# KiCad board protoboard-6x4-breakout.kicad_pcb (continued)
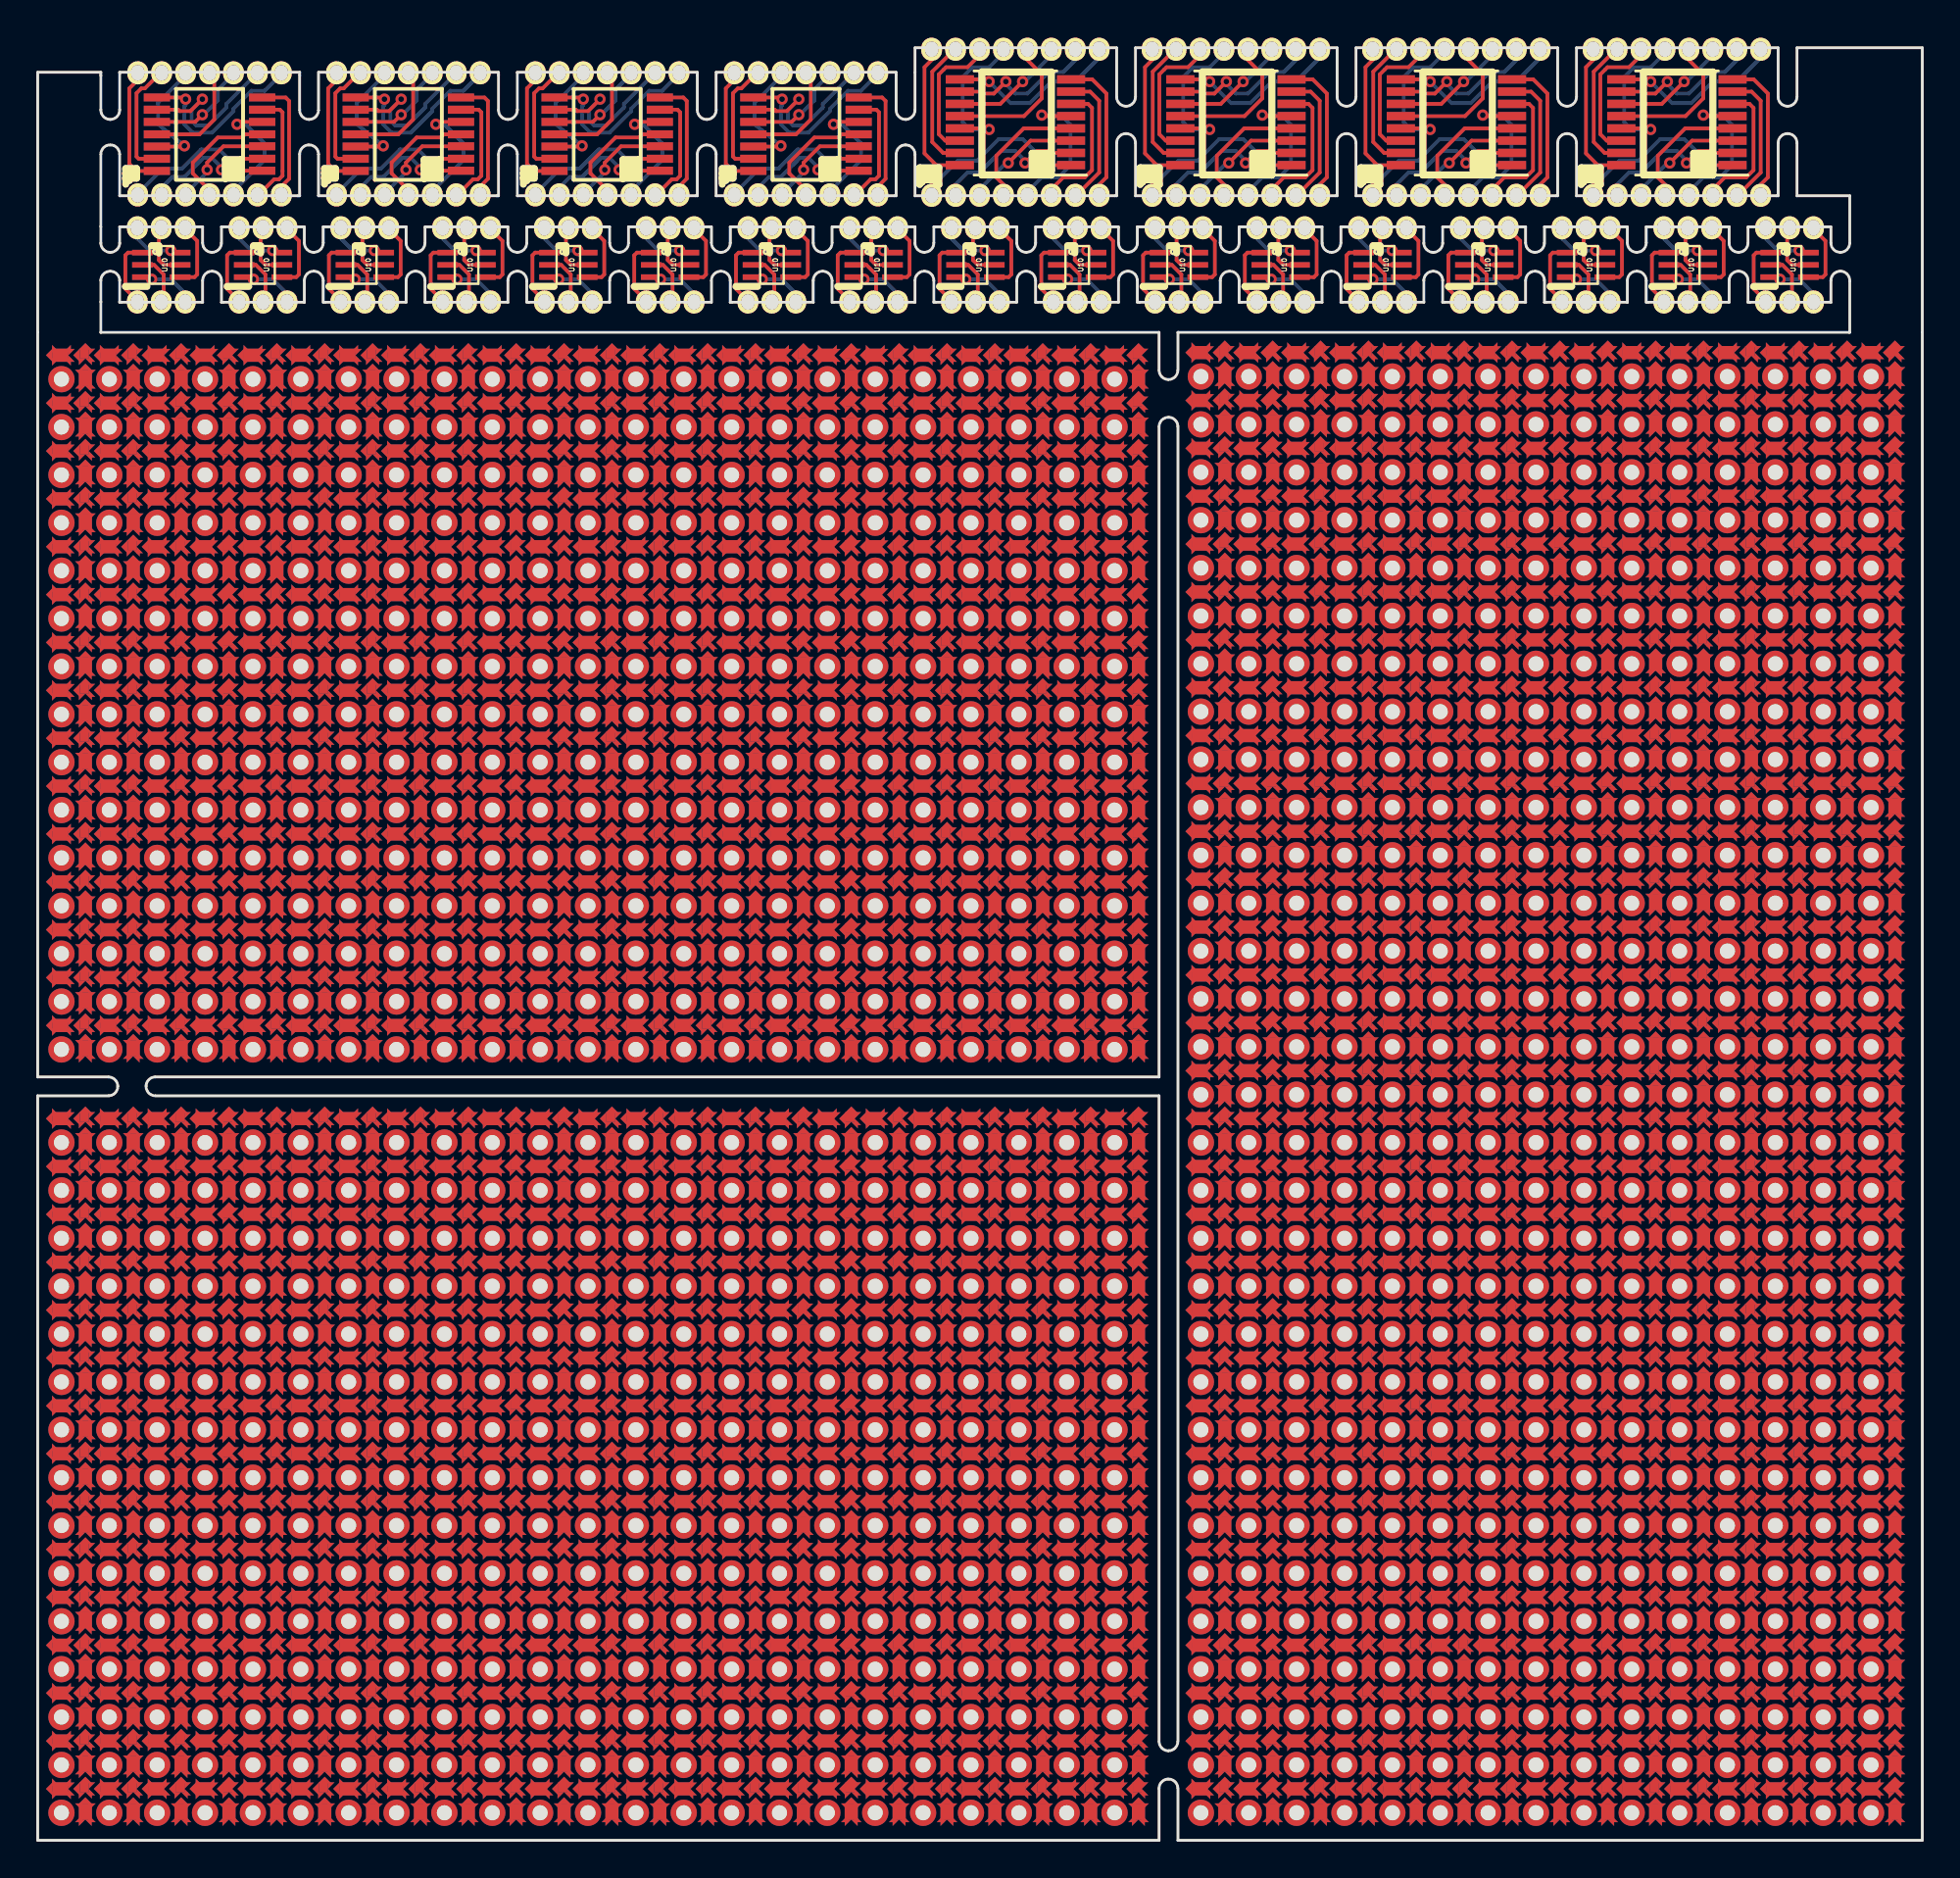
[diagram p0: board, top side]
## Placement (name value [footprint] x y rotation side) (continued)
REF**#209  pad-between  [pad-between-spiked]  39.36 10.35 90 top
REF**#210  pad-between  [pad-between-spiked]  41.9 10.35 90 top
REF**#211  center-pad  [center-pad-spikes]  40.63 10.35 0 top
REF**#212  center-pad  [center-pad-spikes]  43.17 10.35 0 top
REF**#213  pad-between  [pad-between-spiked]  44.44 10.35 90 top
REF**#214  center-pad  [center-pad-spikes]  45.71 10.35 0 top
REF**#215  center-pad  [center-pad-spikes]  45.71 7.81 0 top
REF**#216  pad-between  [pad-between-spiked]  45.71 6.54 0 top
REF**#217  pad-between  [pad-between-spiked]  45.71 9.08 0 top
REF**#218  pad-between  [pad-between-spiked]  44.44 7.81 90 top
REF**#219  pad-between  [pad-between-spiked]  43.17 9.08 0 top
REF**#220  pad-between  [pad-between-spiked]  43.17 6.54 0 top
REF**#221  center-pad  [center-pad-spikes]  43.17 7.81 0 top
REF**#222  center-pad  [center-pad-spikes]  40.63 7.81 0 top
REF**#223  pad-between  [pad-between-spiked]  40.63 6.54 0 top
REF**#224  pad-between  [pad-between-spiked]  40.63 9.08 0 top
REF**#225  pad-between  [pad-between-spiked]  41.9 7.81 90 top
REF**#226  pad-between  [pad-between-spiked]  39.36 7.81 90 top
REF**#227  -  [tht-0.8]  44.44 9.08 0 top
REF**#228  -  [tht-0.8]  41.9 9.08 0 top
REF**#229  -  [tht-0.8]  39.36 9.08 0 top
REF**#230  -  [tht-0.8]  39.36 6.54 0 top
REF**#231  -  [tht-0.8]  41.9 6.54 0 top
REF**#232  -  [tht-0.8]  44.44 6.54 0 top
REF**#233  -  [tht-0.8]  57.14 6.54 0 top
REF**#234  -  [tht-0.8]  54.6 6.54 0 top
REF**#235  -  [tht-0.8]  54.6 9.08 0 top
REF**#236  -  [tht-0.8]  57.14 9.08 0 top
REF**#237  pad-between  [pad-between-spiked]  54.6 7.81 90 top
REF**#238  pad-between  [pad-between-spiked]  57.14 7.81 90 top
REF**#239  pad-between  [pad-between-spiked]  55.87 9.08 0 top
REF**#240  pad-between  [pad-between-spiked]  55.87 6.54 0 top
REF**#241  center-pad  [center-pad-spikes]  55.87 7.81 0 top
REF**#242  center-pad  [center-pad-spikes]  58.41 7.81 0 top
REF**#243  pad-between  [pad-between-spiked]  58.41 6.54 0 top
REF**#244  pad-between  [pad-between-spiked]  58.41 9.08 0 top
REF**#245  center-pad  [center-pad-spikes]  58.41 10.35 0 top
REF**#246  center-pad  [center-pad-spikes]  55.87 10.35 0 top
REF**#247  pad-between  [pad-between-spiked]  57.14 10.35 90 top
REF**#248  pad-between  [pad-between-spiked]  54.6 10.35 90 top
REF**#249  pad-between  [pad-between-spiked]  46.98 10.35 90 top
REF**#250  pad-between  [pad-between-spiked]  49.52 10.35 90 top
REF**#251  center-pad  [center-pad-spikes]  48.25 10.35 0 top
REF**#252  center-pad  [center-pad-spikes]  50.79 10.35 0 top
REF**#253  pad-between  [pad-between-spiked]  52.06 10.35 90 top
REF**#254  center-pad  [center-pad-spikes]  53.33 10.35 0 top
REF**#255  center-pad  [center-pad-spikes]  53.33 7.81 0 top
REF**#256  pad-between  [pad-between-spiked]  53.33 6.54 0 top
REF**#257  pad-between  [pad-between-spiked]  53.33 9.08 0 top
REF**#258  pad-between  [pad-between-spiked]  52.06 7.81 90 top
REF**#259  pad-between  [pad-between-spiked]  50.79 9.08 0 top
REF**#260  pad-between  [pad-between-spiked]  50.79 6.54 0 top
REF**#261  center-pad  [center-pad-spikes]  50.79 7.81 0 top
REF**#262  center-pad  [center-pad-spikes]  48.25 7.81 0 top
REF**#263  pad-between  [pad-between-spiked]  48.25 6.54 0 top
REF**#264  pad-between  [pad-between-spiked]  48.25 9.08 0 top
REF**#265  pad-between  [pad-between-spiked]  49.52 7.81 90 top
REF**#266  pad-between  [pad-between-spiked]  46.98 7.81 90 top
REF**#267  -  [tht-0.8]  52.06 9.08 0 top
REF**#268  -  [tht-0.8]  49.52 9.08 0 top
REF**#269  -  [tht-0.8]  46.98 9.08 0 top
REF**#270  -  [tht-0.8]  46.98 6.54 0 top
REF**#271  -  [tht-0.8]  49.52 6.54 0 top
REF**#272  -  [tht-0.8]  52.06 6.54 0 top
REF**#273  -  [tht-0.8]  21.58 6.54 0 top
REF**#274  -  [tht-0.8]  19.04 6.54 0 top
REF**#275  -  [tht-0.8]  16.5 6.54 0 top
REF**#276  -  [tht-0.8]  16.5 9.08 0 top
REF**#277  -  [tht-0.8]  19.04 9.08 0 top
REF**#278  -  [tht-0.8]  21.58 9.08 0 top
REF**#279  pad-between  [pad-between-spiked]  16.5 7.81 90 top
REF**#280  pad-between  [pad-between-spiked]  19.04 7.81 90 top
REF**#281  pad-between  [pad-between-spiked]  17.77 9.08 0 top
REF**#282  pad-between  [pad-between-spiked]  17.77 6.54 0 top
REF**#283  center-pad  [center-pad-spikes]  17.77 7.81 0 top
REF**#284  center-pad  [center-pad-spikes]  20.31 7.81 0 top
REF**#285  pad-between  [pad-between-spiked]  20.31 6.54 0 top
REF**#286  pad-between  [pad-between-spiked]  20.31 9.08 0 top
REF**#287  pad-between  [pad-between-spiked]  21.58 7.81 90 top
REF**#288  pad-between  [pad-between-spiked]  22.85 9.08 0 top
REF**#289  pad-between  [pad-between-spiked]  22.85 6.54 0 top
REF**#290  center-pad  [center-pad-spikes]  22.85 7.81 0 top
REF**#291  center-pad  [center-pad-spikes]  22.85 10.35 0 top
REF**#292  pad-between  [pad-between-spiked]  21.58 10.35 90 top
REF**#293  center-pad  [center-pad-spikes]  20.31 10.35 0 top
REF**#294  center-pad  [center-pad-spikes]  17.77 10.35 0 top
REF**#295  pad-between  [pad-between-spiked]  19.04 10.35 90 top
REF**#296  pad-between  [pad-between-spiked]  16.5 10.35 90 top
REF**#297  pad-between  [pad-between-spiked]  24.12 10.35 90 top
REF**#298  pad-between  [pad-between-spiked]  26.66 10.35 90 top
REF**#299  center-pad  [center-pad-spikes]  25.39 10.35 0 top
REF**#300  center-pad  [center-pad-spikes]  27.93 10.35 0 top
REF**#301  pad-between  [pad-between-spiked]  29.2 10.35 90 top
REF**#302  center-pad  [center-pad-spikes]  30.47 10.35 0 top
REF**#303  center-pad  [center-pad-spikes]  30.47 7.81 0 top
REF**#304  pad-between  [pad-between-spiked]  30.47 6.54 0 top
REF**#305  pad-between  [pad-between-spiked]  30.47 9.08 0 top
REF**#306  pad-between  [pad-between-spiked]  29.2 7.81 90 top
REF**#307  pad-between  [pad-between-spiked]  27.93 9.08 0 top
REF**#308  pad-between  [pad-between-spiked]  27.93 6.54 0 top
REF**#309  center-pad  [center-pad-spikes]  27.93 7.81 0 top
REF**#310  center-pad  [center-pad-spikes]  25.39 7.81 0 top
REF**#311  pad-between  [pad-between-spiked]  25.39 6.54 0 top
REF**#312  pad-between  [pad-between-spiked]  25.39 9.08 0 top
REF**#313  pad-between  [pad-between-spiked]  26.66 7.81 90 top
REF**#314  pad-between  [pad-between-spiked]  24.12 7.81 90 top
REF**#315  -  [tht-0.8]  29.2 9.08 0 top
REF**#316  -  [tht-0.8]  26.66 9.08 0 top
REF**#317  -  [tht-0.8]  24.12 9.08 0 top
REF**#318  -  [tht-0.8]  24.12 6.54 0 top
REF**#319  -  [tht-0.8]  26.66 6.54 0 top
REF**#320  -  [tht-0.8]  29.2 6.54 0 top
REF**#321  -  [tht-0.8]  13.96 6.54 0 top
REF**#322  -  [tht-0.8]  11.42 6.54 0 top
REF**#323  -  [tht-0.8]  8.88 6.54 0 top
REF**#324  -  [tht-0.8]  8.88 9.08 0 top
REF**#325  -  [tht-0.8]  11.42 9.08 0 top
REF**#326  -  [tht-0.8]  13.96 9.08 0 top
REF**#327  pad-between  [pad-between-spiked]  8.88 7.81 90 top
REF**#328  pad-between  [pad-between-spiked]  11.42 7.81 90 top
REF**#329  pad-between  [pad-between-spiked]  10.15 9.08 0 top
REF**#330  pad-between  [pad-between-spiked]  10.15 6.54 0 top
REF**#331  center-pad  [center-pad-spikes]  10.15 7.81 0 top
REF**#332  center-pad  [center-pad-spikes]  12.69 7.81 0 top
REF**#333  pad-between  [pad-between-spiked]  12.69 6.54 0 top
REF**#334  pad-between  [pad-between-spiked]  12.69 9.08 0 top
REF**#335  pad-between  [pad-between-spiked]  13.96 7.81 90 top
REF**#336  pad-between  [pad-between-spiked]  15.23 9.08 0 top
REF**#337  pad-between  [pad-between-spiked]  15.23 6.54 0 top
REF**#338  center-pad  [center-pad-spikes]  15.23 7.81 0 top
REF**#339  center-pad  [center-pad-spikes]  15.23 10.35 0 top
REF**#340  pad-between  [pad-between-spiked]  13.96 10.35 90 top
REF**#341  center-pad  [center-pad-spikes]  12.69 10.35 0 top
REF**#342  center-pad  [center-pad-spikes]  10.15 10.35 0 top
REF**#343  pad-between  [pad-between-spiked]  11.42 10.35 90 top
REF**#344  pad-between  [pad-between-spiked]  8.88 10.35 90 top
REF**#345  pad-between  [pad-between-spiked]  1.26 10.35 90 top
REF**#346  pad-between  [pad-between-spiked]  3.8 10.35 90 top
REF**#347  center-pad  [center-pad-spikes]  2.53 10.35 0 top
REF**#348  center-pad  [center-pad-spikes]  5.07 10.35 0 top
REF**#349  pad-between  [pad-between-spiked]  6.34 10.35 90 top
REF**#350  center-pad  [center-pad-spikes]  7.61 10.35 0 top
REF**#351  center-pad  [center-pad-spikes]  7.61 7.81 0 top
REF**#352  pad-between  [pad-between-spiked]  7.61 6.54 0 top
REF**#353  pad-between  [pad-between-spiked]  7.61 9.08 0 top
REF**#354  pad-between  [pad-between-spiked]  6.34 7.81 90 top
REF**#355  pad-between  [pad-between-spiked]  5.07 9.08 0 top
REF**#356  pad-between  [pad-between-spiked]  5.07 6.54 0 top
REF**#357  center-pad  [center-pad-spikes]  5.07 7.81 0 top
REF**#358  center-pad  [center-pad-spikes]  2.53 7.81 0 top
REF**#359  pad-between  [pad-between-spiked]  2.53 6.54 0 top
REF**#360  pad-between  [pad-between-spiked]  2.53 9.08 0 top
REF**#361  pad-between  [pad-between-spiked]  3.8 7.81 90 top
REF**#362  pad-between  [pad-between-spiked]  1.26 7.81 90 top
REF**#363  -  [tht-0.8]  6.34 9.08 0 top
REF**#364  -  [tht-0.8]  3.8 9.08 0 top
REF**#365  -  [tht-0.8]  1.26 9.08 0 top
REF**#366  -  [tht-0.8]  1.26 6.54 0 top
REF**#367  -  [tht-0.8]  3.8 6.54 0 top
REF**#368  -  [tht-0.8]  6.34 6.54 0 top
REF**#369  -  [tht-0.8]  6.34 16.7 0 top
REF**#370  -  [tht-0.8]  3.8 16.7 0 top
REF**#371  -  [tht-0.8]  1.26 16.7 0 top
REF**#372  -  [tht-0.8]  1.26 19.24 0 top
REF**#373  -  [tht-0.8]  3.8 19.24 0 top
REF**#374  -  [tht-0.8]  6.34 19.24 0 top
REF**#375  pad-between  [pad-between-spiked]  1.26 17.97 90 top
REF**#376  pad-between  [pad-between-spiked]  3.8 17.97 90 top
REF**#377  pad-between  [pad-between-spiked]  2.53 19.24 0 top
REF**#378  pad-between  [pad-between-spiked]  2.53 16.7 0 top
REF**#379  center-pad  [center-pad-spikes]  2.53 17.97 0 top
REF**#380  center-pad  [center-pad-spikes]  5.07 17.97 0 top
REF**#381  pad-between  [pad-between-spiked]  5.07 16.7 0 top
REF**#382  pad-between  [pad-between-spiked]  5.07 19.24 0 top
REF**#383  pad-between  [pad-between-spiked]  6.34 17.97 90 top
REF**#384  pad-between  [pad-between-spiked]  7.61 19.24 0 top
REF**#385  pad-between  [pad-between-spiked]  7.61 16.7 0 top
REF**#386  center-pad  [center-pad-spikes]  7.61 17.97 0 top
REF**#387  center-pad  [center-pad-spikes]  7.61 20.51 0 top
REF**#388  pad-between  [pad-between-spiked]  6.34 20.51 90 top
REF**#389  center-pad  [center-pad-spikes]  5.07 20.51 0 top
REF**#390  center-pad  [center-pad-spikes]  2.53 20.51 0 top
REF**#391  pad-between  [pad-between-spiked]  3.8 20.51 90 top
REF**#392  pad-between  [pad-between-spiked]  1.26 20.51 90 top
REF**#393  pad-between  [pad-between-spiked]  8.88 20.51 90 top
REF**#394  pad-between  [pad-between-spiked]  11.42 20.51 90 top
REF**#395  center-pad  [center-pad-spikes]  10.15 20.51 0 top
REF**#396  center-pad  [center-pad-spikes]  12.69 20.51 0 top
REF**#397  pad-between  [pad-between-spiked]  13.96 20.51 90 top
REF**#398  center-pad  [center-pad-spikes]  15.23 20.51 0 top
REF**#399  center-pad  [center-pad-spikes]  15.23 17.97 0 top
REF**#400  pad-between  [pad-between-spiked]  15.23 16.7 0 top
REF**#401  pad-between  [pad-between-spiked]  15.23 19.24 0 top
REF**#402  pad-between  [pad-between-spiked]  13.96 17.97 90 top
REF**#403  pad-between  [pad-between-spiked]  12.69 19.24 0 top
REF**#404  pad-between  [pad-between-spiked]  12.69 16.7 0 top
REF**#405  center-pad  [center-pad-spikes]  12.69 17.97 0 top
REF**#406  center-pad  [center-pad-spikes]  10.15 17.97 0 top
REF**#407  pad-between  [pad-between-spiked]  10.15 16.7 0 top
REF**#408  pad-between  [pad-between-spiked]  10.15 19.24 0 top
REF**#409  pad-between  [pad-between-spiked]  11.42 17.97 90 top
REF**#410  pad-between  [pad-between-spiked]  8.88 17.97 90 top
REF**#411  -  [tht-0.8]  13.96 19.24 0 top
REF**#412  -  [tht-0.8]  11.42 19.24 0 top
REF**#413  -  [tht-0.8]  8.88 19.24 0 top
REF**#414  -  [tht-0.8]  8.88 16.7 0 top
REF**#415  -  [tht-0.8]  11.42 16.7 0 top
REF**#416  -  [tht-0.8]  13.96 16.7 0 top
REF**#417  -  [tht-0.8]  29.2 16.7 0 top
REF**#418  -  [tht-0.8]  26.66 16.7 0 top
REF**#419  -  [tht-0.8]  24.12 16.7 0 top
REF**#420  -  [tht-0.8]  24.12 19.24 0 top
REF**#421  -  [tht-0.8]  26.66 19.24 0 top
REF**#422  -  [tht-0.8]  29.2 19.24 0 top
REF**#423  pad-between  [pad-between-spiked]  24.12 17.97 90 top
REF**#424  pad-between  [pad-between-spiked]  26.66 17.97 90 top
REF**#425  pad-between  [pad-between-spiked]  25.39 19.24 0 top
REF**#426  pad-between  [pad-between-spiked]  25.39 16.7 0 top
REF**#427  center-pad  [center-pad-spikes]  25.39 17.97 0 top
REF**#428  center-pad  [center-pad-spikes]  27.93 17.97 0 top
REF**#429  pad-between  [pad-between-spiked]  27.93 16.7 0 top
REF**#430  pad-between  [pad-between-spiked]  27.93 19.24 0 top
REF**#431  pad-between  [pad-between-spiked]  29.2 17.97 90 top
REF**#432  pad-between  [pad-between-spiked]  30.47 19.24 0 top
REF**#433  pad-between  [pad-between-spiked]  30.47 16.7 0 top
REF**#434  center-pad  [center-pad-spikes]  30.47 17.97 0 top
REF**#435  center-pad  [center-pad-spikes]  30.47 20.51 0 top
REF**#436  pad-between  [pad-between-spiked]  29.2 20.51 90 top
REF**#437  center-pad  [center-pad-spikes]  27.93 20.51 0 top
REF**#438  center-pad  [center-pad-spikes]  25.39 20.51 0 top
REF**#439  pad-between  [pad-between-spiked]  26.66 20.51 90 top
REF**#440  pad-between  [pad-between-spiked]  24.12 20.51 90 top
REF**#441  pad-between  [pad-between-spiked]  16.5 20.51 90 top
REF**#442  pad-between  [pad-between-spiked]  19.04 20.51 90 top
REF**#443  center-pad  [center-pad-spikes]  17.77 20.51 0 top
REF**#444  center-pad  [center-pad-spikes]  20.31 20.51 0 top
REF**#445  pad-between  [pad-between-spiked]  21.58 20.51 90 top
REF**#446  center-pad  [center-pad-spikes]  22.85 20.51 0 top
REF**#447  center-pad  [center-pad-spikes]  22.85 17.97 0 top
REF**#448  pad-between  [pad-between-spiked]  22.85 16.7 0 top
REF**#449  pad-between  [pad-between-spiked]  22.85 19.24 0 top
REF**#450  pad-between  [pad-between-spiked]  21.58 17.97 90 top
REF**#451  pad-between  [pad-between-spiked]  20.31 19.24 0 top
REF**#452  pad-between  [pad-between-spiked]  20.31 16.7 0 top
REF**#453  center-pad  [center-pad-spikes]  20.31 17.97 0 top
REF**#454  center-pad  [center-pad-spikes]  17.77 17.97 0 top
REF**#455  pad-between  [pad-between-spiked]  17.77 16.7 0 top
REF**#456  pad-between  [pad-between-spiked]  17.77 19.24 0 top
REF**#457  pad-between  [pad-between-spiked]  19.04 17.97 90 top
REF**#458  pad-between  [pad-between-spiked]  16.5 17.97 90 top
REF**#459  -  [tht-0.8]  21.58 19.24 0 top
REF**#460  -  [tht-0.8]  19.04 19.24 0 top
REF**#461  -  [tht-0.8]  16.5 19.24 0 top
REF**#462  -  [tht-0.8]  16.5 16.7 0 top
REF**#463  -  [tht-0.8]  19.04 16.7 0 top
REF**#464  -  [tht-0.8]  21.58 16.7 0 top
REF**#465  -  [tht-0.8]  52.06 16.7 0 top
REF**#466  -  [tht-0.8]  49.52 16.7 0 top
REF**#467  -  [tht-0.8]  46.98 16.7 0 top
REF**#468  -  [tht-0.8]  46.98 19.24 0 top
REF**#469  -  [tht-0.8]  49.52 19.24 0 top
REF**#470  -  [tht-0.8]  52.06 19.24 0 top
REF**#471  pad-between  [pad-between-spiked]  46.98 17.97 90 top
REF**#472  pad-between  [pad-between-spiked]  49.52 17.97 90 top
REF**#473  pad-between  [pad-between-spiked]  48.25 19.24 0 top
REF**#474  pad-between  [pad-between-spiked]  48.25 16.7 0 top
REF**#475  center-pad  [center-pad-spikes]  48.25 17.97 0 top
REF**#476  center-pad  [center-pad-spikes]  50.79 17.97 0 top
REF**#477  pad-between  [pad-between-spiked]  50.79 16.7 0 top
REF**#478  pad-between  [pad-between-spiked]  50.79 19.24 0 top
REF**#479  pad-between  [pad-between-spiked]  52.06 17.97 90 top
REF**#480  pad-between  [pad-between-spiked]  53.33 19.24 0 top
REF**#481  pad-between  [pad-between-spiked]  53.33 16.7 0 top
REF**#482  center-pad  [center-pad-spikes]  53.33 17.97 0 top
REF**#483  center-pad  [center-pad-spikes]  53.33 20.51 0 top
REF**#484  pad-between  [pad-between-spiked]  52.06 20.51 90 top
REF**#485  center-pad  [center-pad-spikes]  50.79 20.51 0 top
REF**#486  center-pad  [center-pad-spikes]  48.25 20.51 0 top
REF**#487  pad-between  [pad-between-spiked]  49.52 20.51 90 top
REF**#488  pad-between  [pad-between-spiked]  46.98 20.51 90 top
REF**#489  pad-between  [pad-between-spiked]  54.6 20.51 90 top
REF**#490  pad-between  [pad-between-spiked]  57.14 20.51 90 top
REF**#491  center-pad  [center-pad-spikes]  55.87 20.51 0 top
REF**#492  center-pad  [center-pad-spikes]  58.41 20.51 0 top
REF**#493  pad-between  [pad-between-spiked]  58.41 19.24 0 top
REF**#494  pad-between  [pad-between-spiked]  58.41 16.7 0 top
REF**#495  center-pad  [center-pad-spikes]  58.41 17.97 0 top
REF**#496  center-pad  [center-pad-spikes]  55.87 17.97 0 top
REF**#497  pad-between  [pad-between-spiked]  55.87 16.7 0 top
REF**#498  pad-between  [pad-between-spiked]  55.87 19.24 0 top
REF**#499  pad-between  [pad-between-spiked]  57.14 17.97 90 top
REF**#500  pad-between  [pad-between-spiked]  54.6 17.97 90 top
REF**#501  -  [tht-0.8]  57.14 19.24 0 top
REF**#502  -  [tht-0.8]  54.6 19.24 0 top
REF**#503  -  [tht-0.8]  54.6 16.7 0 top
REF**#504  -  [tht-0.8]  57.14 16.7 0 top
REF**#505  -  [tht-0.8]  44.44 16.7 0 top
REF**#506  -  [tht-0.8]  41.9 16.7 0 top
REF**#507  -  [tht-0.8]  39.36 16.7 0 top
REF**#508  -  [tht-0.8]  39.36 19.24 0 top
REF**#509  -  [tht-0.8]  41.9 19.24 0 top
REF**#510  -  [tht-0.8]  44.44 19.24 0 top
REF**#511  pad-between  [pad-between-spiked]  39.36 17.97 90 top
REF**#512  pad-between  [pad-between-spiked]  41.9 17.97 90 top
REF**#513  pad-between  [pad-between-spiked]  40.63 19.24 0 top
REF**#514  pad-between  [pad-between-spiked]  40.63 16.7 0 top
REF**#515  center-pad  [center-pad-spikes]  40.63 17.97 0 top
REF**#516  center-pad  [center-pad-spikes]  43.17 17.97 0 top
REF**#517  pad-between  [pad-between-spiked]  43.17 16.7 0 top
REF**#518  pad-between  [pad-between-spiked]  43.17 19.24 0 top
REF**#519  pad-between  [pad-between-spiked]  44.44 17.97 90 top
REF**#520  pad-between  [pad-between-spiked]  45.71 19.24 0 top
REF**#521  pad-between  [pad-between-spiked]  45.71 16.7 0 top
REF**#522  center-pad  [center-pad-spikes]  45.71 17.97 0 top
REF**#523  center-pad  [center-pad-spikes]  45.71 20.51 0 top
REF**#524  pad-between  [pad-between-spiked]  44.44 20.51 90 top
REF**#525  center-pad  [center-pad-spikes]  43.17 20.51 0 top
REF**#526  center-pad  [center-pad-spikes]  40.63 20.51 0 top
REF**#527  pad-between  [pad-between-spiked]  41.9 20.51 90 top
REF**#528  pad-between  [pad-between-spiked]  39.36 20.51 90 top
REF**#529  pad-between  [pad-between-spiked]  31.74 20.51 90 top
REF**#530  pad-between  [pad-between-spiked]  34.28 20.51 90 top
REF**#531  center-pad  [center-pad-spikes]  33.01 20.51 0 top
REF**#532  center-pad  [center-pad-spikes]  35.55 20.51 0 top
REF**#533  pad-between  [pad-between-spiked]  36.82 20.51 90 top
REF**#534  center-pad  [center-pad-spikes]  38.09 20.51 0 top
REF**#535  center-pad  [center-pad-spikes]  38.09 17.97 0 top
REF**#536  pad-between  [pad-between-spiked]  38.09 16.7 0 top
REF**#537  pad-between  [pad-between-spiked]  38.09 19.24 0 top
REF**#538  pad-between  [pad-between-spiked]  36.82 17.97 90 top
REF**#539  pad-between  [pad-between-spiked]  35.55 19.24 0 top
REF**#540  pad-between  [pad-between-spiked]  35.55 16.7 0 top
REF**#541  center-pad  [center-pad-spikes]  35.55 17.97 0 top
REF**#542  center-pad  [center-pad-spikes]  33.01 17.97 0 top
REF**#543  pad-between  [pad-between-spiked]  33.01 16.7 0 top
REF**#544  pad-between  [pad-between-spiked]  33.01 19.24 0 top
REF**#545  pad-between  [pad-between-spiked]  34.28 17.97 90 top
REF**#546  pad-between  [pad-between-spiked]  31.74 17.97 90 top
REF**#547  -  [tht-0.8]  36.82 19.24 0 top
REF**#548  -  [tht-0.8]  34.28 19.24 0 top
REF**#549  -  [tht-0.8]  31.74 19.24 0 top
REF**#550  -  [tht-0.8]  31.74 16.7 0 top
REF**#551  -  [tht-0.8]  34.28 16.7 0 top
REF**#552  -  [tht-0.8]  36.82 16.7 0 top
REF**#553  -  [tht-0.8]  36.82 11.62 0 top
REF**#554  -  [tht-0.8]  34.28 11.62 0 top
REF**#555  -  [tht-0.8]  31.74 11.62 0 top
REF**#556  -  [tht-0.8]  31.74 14.16 0 top
REF**#557  -  [tht-0.8]  34.28 14.16 0 top
REF**#558  -  [tht-0.8]  36.82 14.16 0 top
REF**#559  pad-between  [pad-between-spiked]  31.74 12.89 90 top
REF**#560  pad-between  [pad-between-spiked]  34.28 12.89 90 top
REF**#561  pad-between  [pad-between-spiked]  33.01 14.16 0 top
REF**#562  pad-between  [pad-between-spiked]  33.01 11.62 0 top
REF**#563  center-pad  [center-pad-spikes]  33.01 12.89 0 top
REF**#564  center-pad  [center-pad-spikes]  35.55 12.89 0 top
REF**#565  pad-between  [pad-between-spiked]  35.55 11.62 0 top
REF**#566  pad-between  [pad-between-spiked]  35.55 14.16 0 top
REF**#567  pad-between  [pad-between-spiked]  36.82 12.89 90 top
REF**#568  pad-between  [pad-between-spiked]  38.09 14.16 0 top
REF**#569  pad-between  [pad-between-spiked]  38.09 11.62 0 top
REF**#570  center-pad  [center-pad-spikes]  38.09 12.89 0 top
REF**#571  center-pad  [center-pad-spikes]  38.09 15.43 0 top
REF**#572  pad-between  [pad-between-spiked]  36.82 15.43 90 top
REF**#573  center-pad  [center-pad-spikes]  35.55 15.43 0 top
REF**#574  center-pad  [center-pad-spikes]  33.01 15.43 0 top
REF**#575  pad-between  [pad-between-spiked]  34.28 15.43 90 top
REF**#576  pad-between  [pad-between-spiked]  31.74 15.43 90 top
REF**#577  pad-between  [pad-between-spiked]  39.36 15.43 90 top
REF**#578  pad-between  [pad-between-spiked]  41.9 15.43 90 top
REF**#579  center-pad  [center-pad-spikes]  40.63 15.43 0 top
REF**#580  center-pad  [center-pad-spikes]  43.17 15.43 0 top
REF**#581  pad-between  [pad-between-spiked]  44.44 15.43 90 top
REF**#582  center-pad  [center-pad-spikes]  45.71 15.43 0 top
REF**#583  center-pad  [center-pad-spikes]  45.71 12.89 0 top
REF**#584  pad-between  [pad-between-spiked]  45.71 11.62 0 top
REF**#585  pad-between  [pad-between-spiked]  45.71 14.16 0 top
REF**#586  pad-between  [pad-between-spiked]  44.44 12.89 90 top
REF**#587  pad-between  [pad-between-spiked]  43.17 14.16 0 top
REF**#588  pad-between  [pad-between-spiked]  43.17 11.62 0 top
REF**#589  center-pad  [center-pad-spikes]  43.17 12.89 0 top
REF**#590  center-pad  [center-pad-spikes]  40.63 12.89 0 top
REF**#591  pad-between  [pad-between-spiked]  40.63 11.62 0 top
REF**#592  pad-between  [pad-between-spiked]  40.63 14.16 0 top
REF**#593  pad-between  [pad-between-spiked]  41.9 12.89 90 top
REF**#594  pad-between  [pad-between-spiked]  39.36 12.89 90 top
REF**#595  -  [tht-0.8]  44.44 14.16 0 top
REF**#596  -  [tht-0.8]  41.9 14.16 0 top
REF**#597  -  [tht-0.8]  39.36 14.16 0 top
REF**#598  -  [tht-0.8]  39.36 11.62 0 top
REF**#599  -  [tht-0.8]  41.9 11.62 0 top
REF**#600  -  [tht-0.8]  44.44 11.62 0 top
REF**#601  -  [tht-0.8]  57.14 11.62 0 top
REF**#602  -  [tht-0.8]  54.6 11.62 0 top
REF**#603  -  [tht-0.8]  54.6 14.16 0 top
REF**#604  -  [tht-0.8]  57.14 14.16 0 top
REF**#605  pad-between  [pad-between-spiked]  54.6 12.89 90 top
REF**#606  pad-between  [pad-between-spiked]  57.14 12.89 90 top
REF**#607  pad-between  [pad-between-spiked]  55.87 14.16 0 top
REF**#608  pad-between  [pad-between-spiked]  55.87 11.62 0 top
REF**#609  center-pad  [center-pad-spikes]  55.87 12.89 0 top
REF**#610  center-pad  [center-pad-spikes]  58.41 12.89 0 top
REF**#611  pad-between  [pad-between-spiked]  58.41 11.62 0 top
REF**#612  pad-between  [pad-between-spiked]  58.41 14.16 0 top
REF**#613  center-pad  [center-pad-spikes]  58.41 15.43 0 top
REF**#614  center-pad  [center-pad-spikes]  55.87 15.43 0 top
REF**#615  pad-between  [pad-between-spiked]  57.14 15.43 90 top
REF**#616  pad-between  [pad-between-spiked]  54.6 15.43 90 top
REF**#617  pad-between  [pad-between-spiked]  46.98 15.43 90 top
REF**#618  pad-between  [pad-between-spiked]  49.52 15.43 90 top
REF**#619  center-pad  [center-pad-spikes]  48.25 15.43 0 top
REF**#620  center-pad  [center-pad-spikes]  50.79 15.43 0 top
REF**#621  pad-between  [pad-between-spiked]  52.06 15.43 90 top
REF**#622  center-pad  [center-pad-spikes]  53.33 15.43 0 top
REF**#623  center-pad  [center-pad-spikes]  53.33 12.89 0 top
REF**#624  pad-between  [pad-between-spiked]  53.33 11.62 0 top
REF**#625  pad-between  [pad-between-spiked]  53.33 14.16 0 top
REF**#626  pad-between  [pad-between-spiked]  52.06 12.89 90 top
REF**#627  pad-between  [pad-between-spiked]  50.79 14.16 0 top
REF**#628  pad-between  [pad-between-spiked]  50.79 11.62 0 top
REF**#629  center-pad  [center-pad-spikes]  50.79 12.89 0 top
REF**#630  center-pad  [center-pad-spikes]  48.25 12.89 0 top
REF**#631  pad-between  [pad-between-spiked]  48.25 11.62 0 top
REF**#632  pad-between  [pad-between-spiked]  48.25 14.16 0 top
REF**#633  pad-between  [pad-between-spiked]  49.52 12.89 90 top
REF**#634  pad-between  [pad-between-spiked]  46.98 12.89 90 top
REF**#635  -  [tht-0.8]  52.06 14.16 0 top
REF**#636  -  [tht-0.8]  49.52 14.16 0 top
REF**#637  -  [tht-0.8]  46.98 14.16 0 top
REF**#638  -  [tht-0.8]  46.98 11.62 0 top
REF**#639  -  [tht-0.8]  49.52 11.62 0 top
REF**#640  -  [tht-0.8]  52.06 11.62 0 top
REF**#641  -  [tht-0.8]  21.58 11.62 0 top
REF**#642  -  [tht-0.8]  19.04 11.62 0 top
REF**#643  -  [tht-0.8]  16.5 11.62 0 top
REF**#644  -  [tht-0.8]  16.5 14.16 0 top
REF**#645  -  [tht-0.8]  19.04 14.16 0 top
REF**#646  -  [tht-0.8]  21.58 14.16 0 top
REF**#647  pad-between  [pad-between-spiked]  16.5 12.89 90 top
REF**#648  pad-between  [pad-between-spiked]  19.04 12.89 90 top
REF**#649  pad-between  [pad-between-spiked]  17.77 14.16 0 top
REF**#650  pad-between  [pad-between-spiked]  17.77 11.62 0 top
REF**#651  center-pad  [center-pad-spikes]  17.77 12.89 0 top
REF**#652  center-pad  [center-pad-spikes]  20.31 12.89 0 top
REF**#653  pad-between  [pad-between-spiked]  20.31 11.62 0 top
REF**#654  pad-between  [pad-between-spiked]  20.31 14.16 0 top
REF**#655  pad-between  [pad-between-spiked]  21.58 12.89 90 top
REF**#656  pad-between  [pad-between-spiked]  22.85 14.16 0 top
REF**#657  pad-between  [pad-between-spiked]  22.85 11.62 0 top
REF**#658  center-pad  [center-pad-spikes]  22.85 12.89 0 top
REF**#659  center-pad  [center-pad-spikes]  22.85 15.43 0 top
REF**#660  pad-between  [pad-between-spiked]  21.58 15.43 90 top
REF**#661  center-pad  [center-pad-spikes]  20.31 15.43 0 top
REF**#662  center-pad  [center-pad-spikes]  17.77 15.43 0 top
REF**#663  pad-between  [pad-between-spiked]  19.04 15.43 90 top
REF**#664  pad-between  [pad-between-spiked]  16.5 15.43 90 top
REF**#665  pad-between  [pad-between-spiked]  24.12 15.43 90 top
REF**#666  pad-between  [pad-between-spiked]  26.66 15.43 90 top
REF**#667  center-pad  [center-pad-spikes]  25.39 15.43 0 top
REF**#668  center-pad  [center-pad-spikes]  27.93 15.43 0 top
REF**#669  pad-between  [pad-between-spiked]  29.2 15.43 90 top
REF**#670  center-pad  [center-pad-spikes]  30.47 15.43 0 top
REF**#671  center-pad  [center-pad-spikes]  30.47 12.89 0 top
REF**#672  pad-between  [pad-between-spiked]  30.47 11.62 0 top
REF**#673  pad-between  [pad-between-spiked]  30.47 14.16 0 top
REF**#674  pad-between  [pad-between-spiked]  29.2 12.89 90 top
REF**#675  pad-between  [pad-between-spiked]  27.93 14.16 0 top
REF**#676  pad-between  [pad-between-spiked]  27.93 11.62 0 top
REF**#677  center-pad  [center-pad-spikes]  27.93 12.89 0 top
REF**#678  center-pad  [center-pad-spikes]  25.39 12.89 0 top
REF**#679  pad-between  [pad-between-spiked]  25.39 11.62 0 top
REF**#680  pad-between  [pad-between-spiked]  25.39 14.16 0 top
REF**#681  pad-between  [pad-between-spiked]  26.66 12.89 90 top
REF**#682  pad-between  [pad-between-spiked]  24.12 12.89 90 top
REF**#683  -  [tht-0.8]  29.2 14.16 0 top
REF**#684  -  [tht-0.8]  26.66 14.16 0 top
REF**#685  -  [tht-0.8]  24.12 14.16 0 top
REF**#686  -  [tht-0.8]  24.12 11.62 0 top
REF**#687  -  [tht-0.8]  26.66 11.62 0 top
REF**#688  -  [tht-0.8]  29.2 11.62 0 top
REF**#689  -  [tht-0.8]  13.96 11.62 0 top
REF**#690  -  [tht-0.8]  11.42 11.62 0 top
REF**#691  -  [tht-0.8]  8.88 11.62 0 top
REF**#692  -  [tht-0.8]  8.88 14.16 0 top
REF**#693  -  [tht-0.8]  11.42 14.16 0 top
REF**#694  -  [tht-0.8]  13.96 14.16 0 top
REF**#695  pad-between  [pad-between-spiked]  8.88 12.89 90 top
REF**#696  pad-between  [pad-between-spiked]  11.42 12.89 90 top
REF**#697  pad-between  [pad-between-spiked]  10.15 14.16 0 top
REF**#698  pad-between  [pad-between-spiked]  10.15 11.62 0 top
REF**#699  center-pad  [center-pad-spikes]  10.15 12.89 0 top
REF**#700  center-pad  [center-pad-spikes]  12.69 12.89 0 top
REF**#701  pad-between  [pad-between-spiked]  12.69 11.62 0 top
REF**#702  pad-between  [pad-between-spiked]  12.69 14.16 0 top
REF**#703  pad-between  [pad-between-spiked]  13.96 12.89 90 top
REF**#704  pad-between  [pad-between-spiked]  15.23 14.16 0 top
REF**#705  pad-between  [pad-between-spiked]  15.23 11.62 0 top
REF**#706  center-pad  [center-pad-spikes]  15.23 12.89 0 top
REF**#707  center-pad  [center-pad-spikes]  15.23 15.43 0 top
REF**#708  pad-between  [pad-between-spiked]  13.96 15.43 90 top
REF**#709  center-pad  [center-pad-spikes]  12.69 15.43 0 top
REF**#710  center-pad  [center-pad-spikes]  10.15 15.43 0 top
REF**#711  pad-between  [pad-between-spiked]  11.42 15.43 90 top
REF**#712  pad-between  [pad-between-spiked]  8.88 15.43 90 top
REF**#713  pad-between  [pad-between-spiked]  1.26 15.43 90 top
REF**#714  pad-between  [pad-between-spiked]  3.8 15.43 90 top
REF**#715  center-pad  [center-pad-spikes]  2.53 15.43 0 top
REF**#716  center-pad  [center-pad-spikes]  5.07 15.43 0 top
REF**#717  pad-between  [pad-between-spiked]  6.34 15.43 90 top
REF**#718  center-pad  [center-pad-spikes]  7.61 15.43 0 top
REF**#719  center-pad  [center-pad-spikes]  7.61 12.89 0 top
REF**#720  pad-between  [pad-between-spiked]  7.61 11.62 0 top
REF**#721  pad-between  [pad-between-spiked]  7.61 14.16 0 top
REF**#722  pad-between  [pad-between-spiked]  6.34 12.89 90 top
REF**#723  pad-between  [pad-between-spiked]  5.07 14.16 0 top
REF**#724  pad-between  [pad-between-spiked]  5.07 11.62 0 top
REF**#725  center-pad  [center-pad-spikes]  5.07 12.89 0 top
REF**#726  center-pad  [center-pad-spikes]  2.53 12.89 0 top
REF**#727  pad-between  [pad-between-spiked]  2.53 11.62 0 top
REF**#728  pad-between  [pad-between-spiked]  2.53 14.16 0 top
REF**#729  pad-between  [pad-between-spiked]  3.8 12.89 90 top
REF**#730  pad-between  [pad-between-spiked]  1.26 12.89 90 top
REF**#731  -  [tht-0.8]  6.34 14.16 0 top
REF**#732  -  [tht-0.8]  3.8 14.16 0 top
REF**#733  -  [tht-0.8]  1.26 14.16 0 top
REF**#734  -  [tht-0.8]  1.26 11.62 0 top
REF**#735  -  [tht-0.8]  3.8 11.62 0 top
REF**#736  -  [tht-0.8]  6.34 11.62 0 top
REF**#737  -  [tht-0.8]  6.34 31.94 0 top
REF**#738  -  [tht-0.8]  3.8 31.94 0 top
REF**#739  -  [tht-0.8]  1.26 31.94 0 top
REF**#740  -  [tht-0.8]  1.26 34.48 0 top
REF**#741  -  [tht-0.8]  3.8 34.48 0 top
REF**#742  -  [tht-0.8]  6.34 34.48 0 top
REF**#743  pad-between  [pad-between-spiked]  1.26 33.21 90 top
REF**#744  pad-between  [pad-between-spiked]  3.8 33.21 90 top
REF**#745  pad-between  [pad-between-spiked]  2.53 34.48 0 top
REF**#746  pad-between  [pad-between-spiked]  2.53 31.94 0 top
REF**#747  center-pad  [center-pad-spikes]  2.53 33.21 0 top
REF**#748  center-pad  [center-pad-spikes]  5.07 33.21 0 top
REF**#749  pad-between  [pad-between-spiked]  5.07 31.94 0 top
REF**#750  pad-between  [pad-between-spiked]  5.07 34.48 0 top
REF**#751  pad-between  [pad-between-spiked]  6.34 33.21 90 top
REF**#752  pad-between  [pad-between-spiked]  7.61 34.48 0 top
REF**#753  pad-between  [pad-between-spiked]  7.61 31.94 0 top
REF**#754  center-pad  [center-pad-spikes]  7.61 33.21 0 top
REF**#755  center-pad  [center-pad-spikes]  7.61 35.75 0 top
REF**#756  pad-between  [pad-between-spiked]  6.34 35.75 90 top
REF**#757  center-pad  [center-pad-spikes]  5.07 35.75 0 top
REF**#758  center-pad  [center-pad-spikes]  2.53 35.75 0 top
REF**#759  pad-between  [pad-between-spiked]  3.8 35.75 90 top
REF**#760  pad-between  [pad-between-spiked]  1.26 35.75 90 top
REF**#761  pad-between  [pad-between-spiked]  8.88 35.75 90 top
REF**#762  pad-between  [pad-between-spiked]  11.42 35.75 90 top
REF**#763  center-pad  [center-pad-spikes]  10.15 35.75 0 top
REF**#764  center-pad  [center-pad-spikes]  12.69 35.75 0 top
REF**#765  pad-between  [pad-between-spiked]  13.96 35.75 90 top
REF**#766  center-pad  [center-pad-spikes]  15.23 35.75 0 top
REF**#767  center-pad  [center-pad-spikes]  15.23 33.21 0 top
REF**#768  pad-between  [pad-between-spiked]  15.23 31.94 0 top
REF**#769  pad-between  [pad-between-spiked]  15.23 34.48 0 top
REF**#770  pad-between  [pad-between-spiked]  13.96 33.21 90 top
REF**#771  pad-between  [pad-between-spiked]  12.69 34.48 0 top
REF**#772  pad-between  [pad-between-spiked]  12.69 31.94 0 top
REF**#773  center-pad  [center-pad-spikes]  12.69 33.21 0 top
REF**#774  center-pad  [center-pad-spikes]  10.15 33.21 0 top
REF**#775  pad-between  [pad-between-spiked]  10.15 31.94 0 top
REF**#776  pad-between  [pad-between-spiked]  10.15 34.48 0 top
REF**#777  pad-between  [pad-between-spiked]  11.42 33.21 90 top
REF**#778  pad-between  [pad-between-spiked]  8.88 33.21 90 top
REF**#779  -  [tht-0.8]  13.96 34.48 0 top
